# KiCad board ulx4m_panel.kicad_pcb (continued)
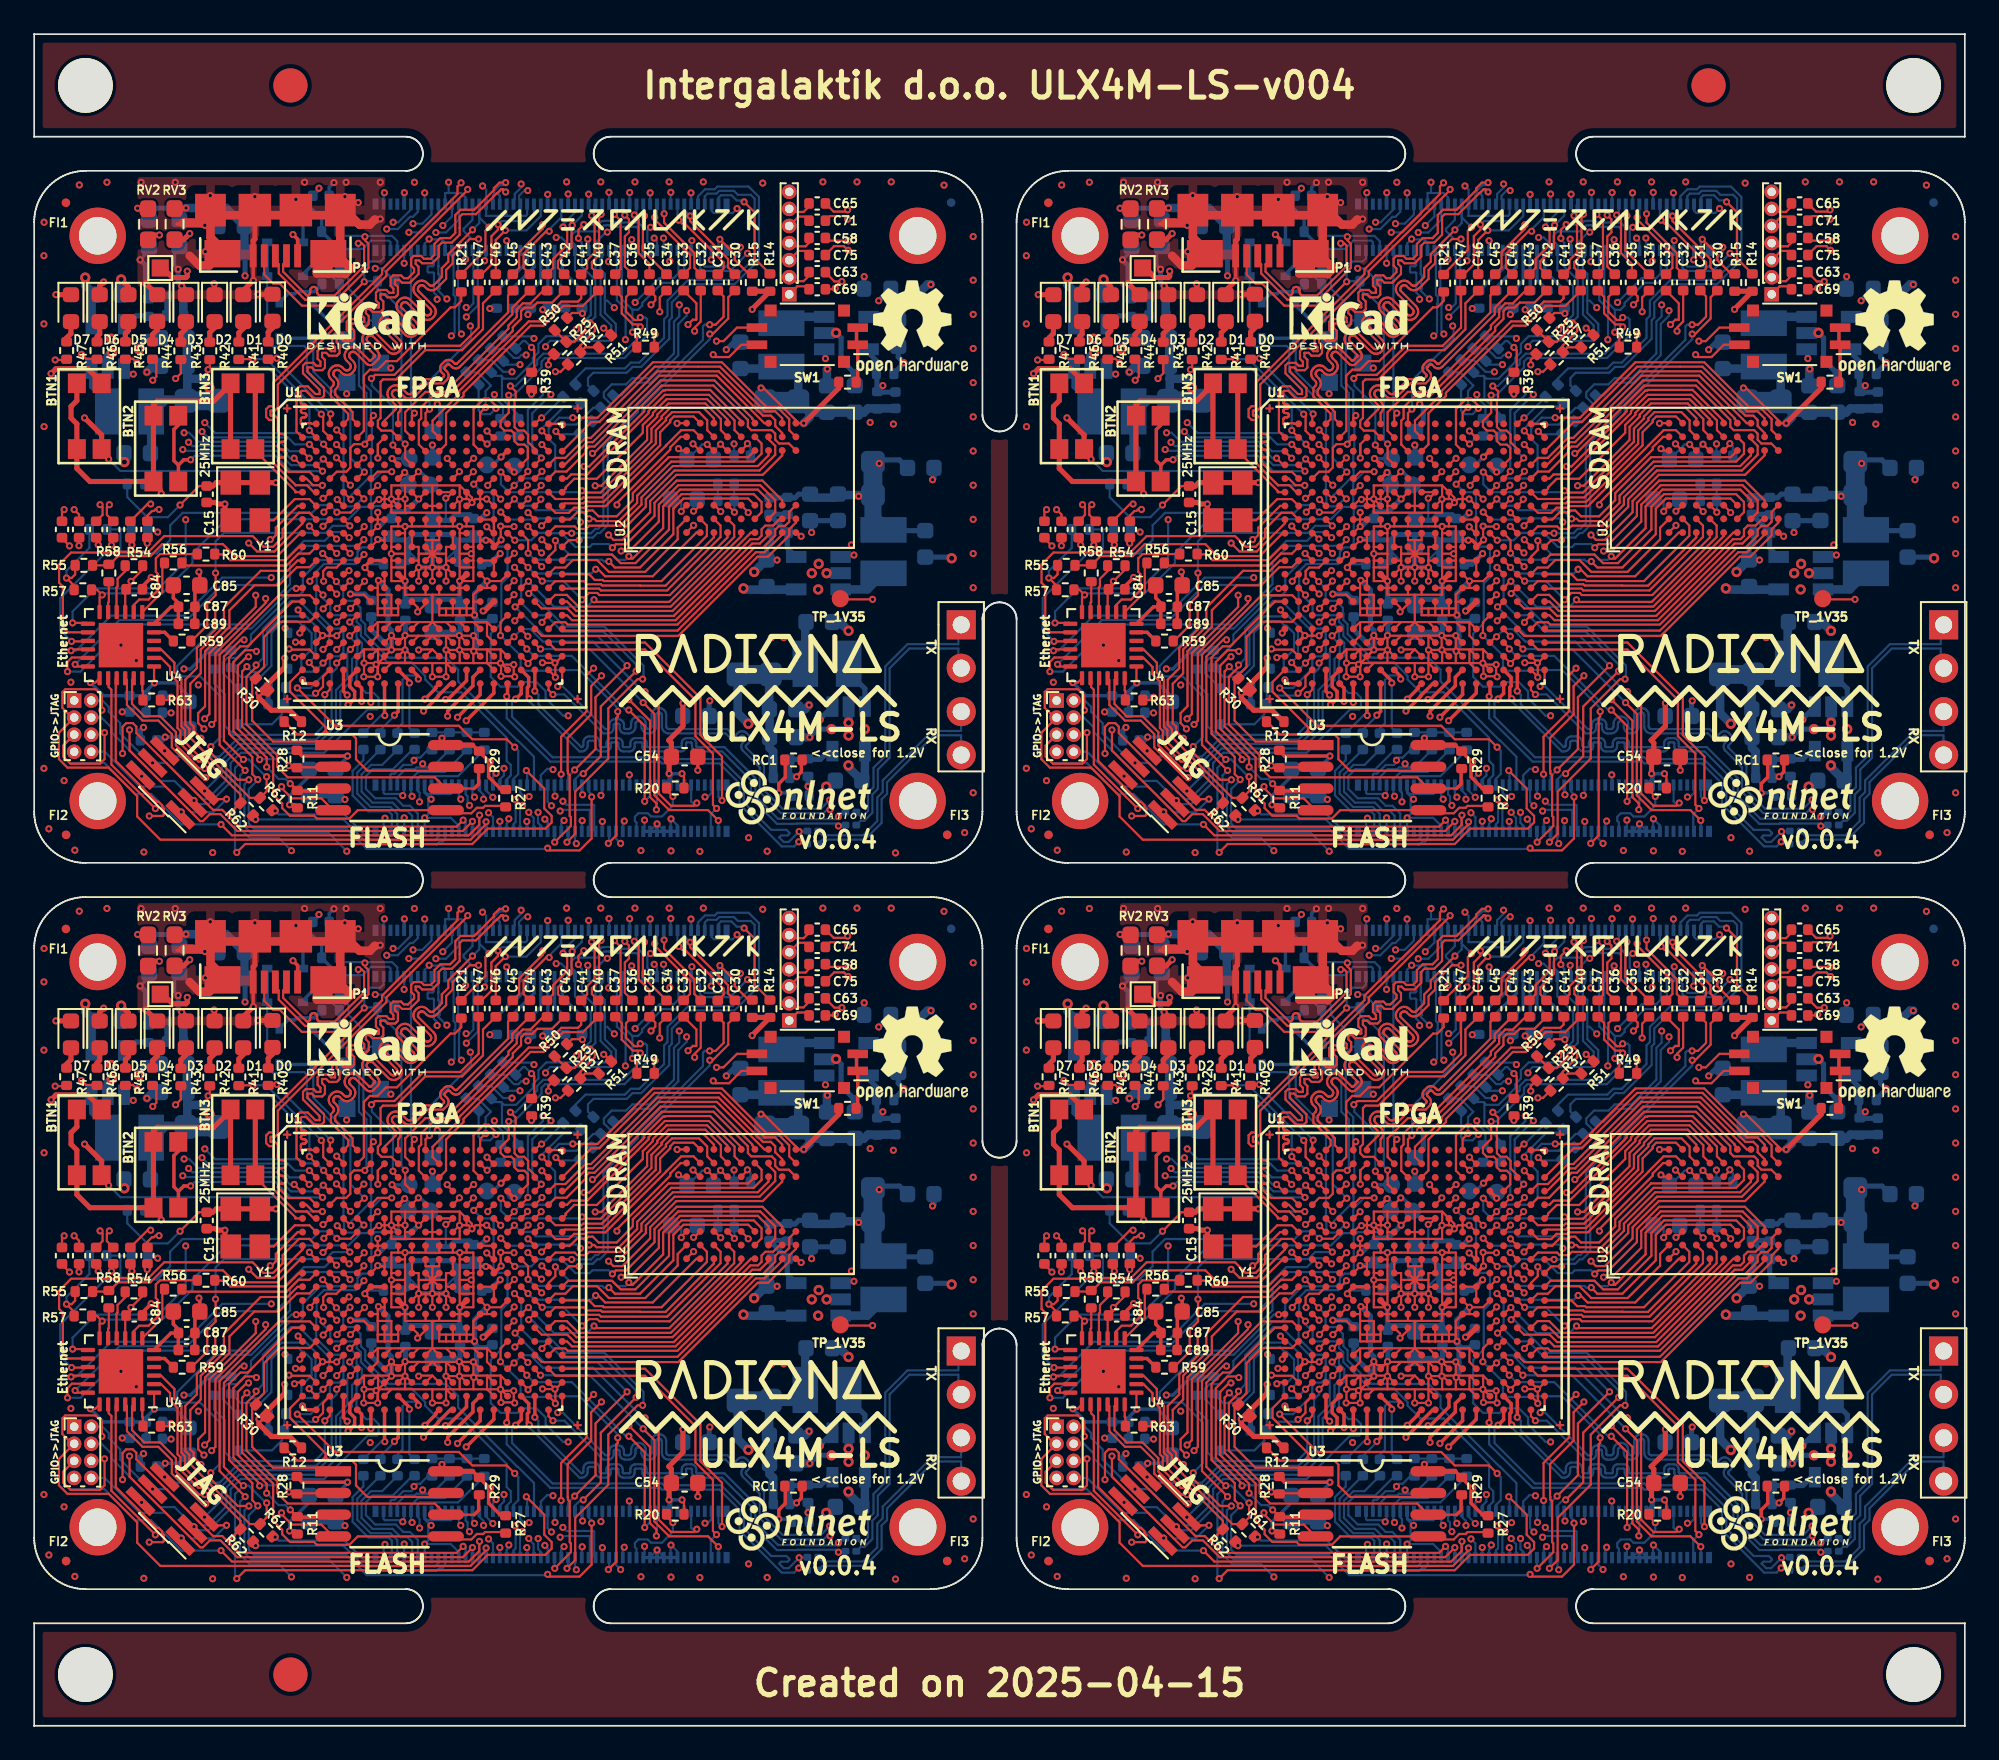
[diagram p0: board, top side]
## Routing (per net, layer and track width the routed paths; a pad name or vN(x,y) marks a point on that pad's centre or on a via; arc(x,y) is an arc through that point) (continued)
Board_2-SDRAM_A11: length 18.5
  Top w0.127: U1#3.K19 30.11,26.53 v1(29.72,26.92) ; v1(34.36,26.25) 34.48,26.37 34.96,26.37 36.57,27.97 36.57,28.97 37.7,30.11 42.5,30.11 43.38,29.23 43.38,28.53 U2.G2
  In2signal.Cu w0.127: v1(29.72,26.92) 30.59,26.05 34.16,26.05 v1(34.36,26.25)
Board_2-SDRAM_A12: length 14.4
  Top w0.127: U1#3.R20 31.19,22.5 31.48,22.2 37.55,22.2 42.04,26.69 42.48,26.69 42.99,27.2 U2.G1
Board_2-SDRAM_BA0: length 15.4
  Top w0.127: U1#3.J19 30.51,27.69 31.64,27.69 31.79,27.55 32.31,27.55 32.5,27.74 34.32,27.74 35.55,28.97 35.55,29.39 37.39,31.23 42.36,31.23 42.99,31.85 U2.G7
Board_2-SDRAM_BA1: length 21.4
  Top w0.127: U1#3.L16 27.71,25.72 v1(28.11,26.12) ; v1(34.15,27.33) 34.29,27.33 35.81,28.84 35.81,29.29 37.49,30.97 42.46,30.97 43.38,31.89 43.38,32.41 42.99,32.8 U2.G8
  In2signal.Cu w0.127: v1(34.15,27.33) 32.58,28.91 31.85,28.91 31.17,28.23 31.17,28.14 29.53,28.14 29.31,27.92 29.3,27.92 29.3,27.31 v1(28.11,26.12)
Board_2-SDRAM_CKE: length 17.7
  Top w0.127: U1#3.J17 28.91,26.89 v1(28.91,26.13) ; v1(33.64,25.65) 34,25.29 35.46,25.29 37.42,27.24 37.42,28.73 38.01,29.33 41.8,29.33 U2.F3
  Bottom w0.127: v1(28.91,26.13) 29.3,25.74 33.25,25.74 33.34,25.65 v1(33.64,25.65)
Board_2-SDRAM_CLK: length 15.8
  Top w0.127: U2.F2 42.58,28.53 42.58,29.12 42.12,29.58 37.9,29.58 37.16,28.85 37.16,27.51 35.2,25.54 34.33,25.54 33.83,26.05 31.26,26.05 U1#3.L20
Board_2-SDRAM_D0: length 12.5
  Top w0.127: v1(34.12,28.96) 34.12,29.07 37.24,32.2 37.24,32.33 37.85,32.94 U2.A8 ; U1#3.J18 28.91,27.7 v1(28.9,27.7)
  In2signal.Cu w0.127: v1(28.9,27.7) 28.9,27.9 29.6,28.6 31.18,28.6 31.77,29.19 33.88,29.19 v1(34.12,28.96)
Board_2-SDRAM_D1: length 10.9
  Top w0.127: U1#3.G20 31.06,29.04 32.15,29.04 32.24,29.13 33.34,29.13 36.64,32.44 36.64,33.21 37.24,33.8 37.24,33.92 37.44,34.13 38.6,34.13 U2.B9
Board_2-SDRAM_D2: length 11.2
  Top w0.127: U1#3.G19 30.52,28.49 31.3,28.49 31.6,28.79 32.25,28.79 32.34,28.88 33.44,28.88 37,32.44 37,32.45 37.88,33.33 38.6,33.33 U2.B8
Board_2-SDRAM_D3: length 17.2
  Top w0.127: v1(27.32,30.88) 27.33,30.88 U1#3.E16 ; U2.C9 39.79,34.02 39.17,34.63 37.23,34.63 36.73,34.13 36.73,34.01 36.14,33.42 36.14,32.65 33.16,29.68 32.18,29.68 v1(32.07,29.78)
  Bottom w0.127: v1(27.32,30.88) 27.32,30.16 27.78,29.7 28.82,29.7 28.83,29.71 29.1,29.71 29.11,29.7 31.99,29.7 v1(32.07,29.78) 32.07,29.71 32.05,29.69
Board_2-SDRAM_D4: length 13.4
  Top w0.127: U1#3.F19 30.51,29.3 32.04,29.3 32.13,29.39 33.23,29.39 36.39,32.54 36.39,33.31 36.98,33.91 36.98,34.02 37.34,34.38 38.92,34.38 39.4,33.9 39.4,33.33 U2.C8
Board_2-SDRAM_D5: length 13
  Top w0.127: U1#3.F20 31.11,29.9 31.11,29.98 31.62,30.48 32.94,30.48 35.63,33.17 35.63,33.63 36.22,34.22 36.22,34.34 37.02,35.14 39.4,35.14 40.59,33.95 U2.D9
Board_2-SDRAM_D6: length 16.8
  Top w0.127: v1(32.84,30.08) 33.2,30.08 35.88,32.75 35.88,33.52 36.47,34.12 36.47,34.23 37.13,34.89 39.29,34.89 40.2,33.98 40.2,33.33 U2.D8 ; U1#3.H18 v1(28.91,28.5)
  In2signal.Cu w0.127: v1(28.91,28.5) 29.27,28.86 30.56,28.86 31.99,30.29 32.63,30.29 v1(32.84,30.08)
Board_2-SDRAM_D7: length 15.6
  Top w0.127: v1(32.19,31.21) 32.49,31.21 35.71,34.43 35.71,34.55 36.81,35.65 36.93,35.65 36.96,35.68 39.57,35.68 41.39,33.87 U2.E9 ; U1#3.F18 29.68,30.07 v1(29.68,30.1)
  In2signal.Cu w0.127: v1(32.19,31.21) 32.09,31.31 30.85,31.31 29.68,30.14 v1(29.68,30.1)
Board_2-SDRAM_D8: length 13.6
  Top w0.127: U2.E1 41.39,27.13 37.26,23 31.87,23 31.18,23.69 30.5,23.69 U1#3.P19
Board_2-SDRAM_D9: length 16.3
  Top w0.127: v1(32.77,23.4) 32.9,23.28 37.18,23.28 40.98,27.07 40.98,27.75 U2.D2 ; v1(28.93,24.48) 28.9,24.48 U1#3.N17
  Bottom w0.127: v1(32.77,23.4) 32.36,22.99 30.43,22.99 v1(28.93,24.48)
Board_2-SDRAM_D10: length 13.8
  Top w0.127: U1#3.M18 29.71,24.49 v1(29.74,24.49) 29.74,24.5 29.7,24.5 ; U2.D1 40.59,27.05 37.21,23.68 33.09,23.68 32.97,23.8 32.48,23.8 v1(32.08,23.4)
  Bottom w0.127: v1(32.08,23.4) 30.99,24.49 v1(29.74,24.49)
Board_2-SDRAM_D11: length 11.9
  Top w0.127: U1#3.N20 30.95,24.05 33.07,24.05 33.18,23.95 37.05,23.95 40.18,27.08 40.18,27.75 U2.C2
Board_2-SDRAM_D12: length 11.4
  Top w0.127: U2.C1 39.79,27.05 36.96,24.23 35.48,24.23 35.47,24.24 33.25,24.24 33.18,24.31 32.37,24.31 32.19,24.49 30.5,24.49 U1#3.N19
Board_2-SDRAM_D13: length 10.9
  Top w0.127: U2.B2 39.38,27.75 39.38,27.15 36.73,24.5 33.35,24.5 33.28,24.56 32.81,24.56 32.48,24.9 U1#3.M20
Board_2-SDRAM_D14: length 10.4
  Top w0.127: U2.A2 37.67,27.62 37.67,26.94 35.77,25.04 33.64,25.04 32.95,25.73 31.54,25.73 31.1,25.29 30.5,25.29 U1#3.M19
Board_2-SDRAM_D15: length 12.1
  Top w0.127: U2.B1 38.77,27.34 36.21,24.78 33.42,24.78 33.01,25.19 v1(32.87,25.19) ; U1#3.L17 v1(28.91,25.3)
  Bottom w0.127: v1(32.87,25.19) 32.62,24.94 29.27,24.94 v1(28.91,25.3)
Board_2-SDRAM_DQM0: length 13.9
  Top w0.127: U1#3.E20 31.19,30.5 31.43,30.74 32.38,30.74 35.97,34.33 35.97,34.44 36.92,35.4 39.5,35.4 41,33.9 41,33.33 U2.E8
Board_2-SDRAM_DQM1: length 13.4
  Top w0.127: U2.F1 41.96,27.34 37.37,22.75 31.74,22.75 31.19,23.3 U1#3.P20
Board_2-SDRAM_nCAS: length 13.5
  Top w0.127: U2.F7 41.8,31.75 37.15,31.75 35.04,29.64 35.04,29.23 34.1,28.29 33.04,28.29 32.7,28.63 32.45,28.63 32.34,28.52 31.78,28.52 31.36,28.1 U1#3.H20
Board_2-SDRAM_nCS: length 15.4
  Top w0.127: U2.G9 42.74,33.74 39.96,36.52 36.59,36.52 32.7,32.62 32.38,32.62 31.05,31.3 U1#3.D20
Board_2-SDRAM_nRAS: length 18.6
  Top w0.127: U2.F8 42.58,32.55 42.58,31.95 42.12,31.49 37.29,31.49 35.3,29.5 35.3,29.07 34.23,28.01 32.92,28.01 32.79,28.14 v1(32.49,28.14) ; U1#3.G16 v1(28.11,29.3)
  Bottom w0.127: v1(32.49,28.14) 31.99,28.64 29.37,28.64 29.1,28.91 28.5,28.91 v1(28.11,29.3)
Board_2-SDRAM_nWE: length 15.7
  Top w0.127: U2.F9 42.19,33.83 42.03,33.98 42.03,34.03 39.82,36.24 36.67,36.24 32.8,32.37 32.48,32.37 32.28,32.17 32.28,32.03 31.16,30.91 30.52,30.91 U1#3.E19
Board_2-SRCLK1N: length 1.4
  Top w0.127: J5#4.1 44.67,41.75 45.19,41.75 C69#4.2
Board_2-SRCLK1P: length 1.6
  Top w0.127: J5#4.2 44.43,42.05 45.04,42.05 45.36,42.37 C63#4.1
Board_2-SRX11N: length 1.5
  Top w0.127: J5#4.5 44.75,45.83 45.12,45.83 C71#4.2
Board_2-SRX11P: length 1.5
  Top w0.127: J5#4.6 44.38,46.1 45.04,46.1 45.36,46.42 C65#2.1
Board_2-STX11N: length 1.5
  Top w0.127: J5#4.3 44.74,43.82 45.12,43.82 C75#3.2
Board_2-STX11P: length 1.6
  Top w0.127: J5#4.4 44.39,44.09 45.15,44.09 45.36,44.3 C58.1
Board_2-SW1: length 24.2
  Top w0.127: v1(39.75,37.75) 39.89,37.61 40.68,37.61 41.4,38.33 SW1.4 ; U1#3.L18 29.35,25.7 v1(29.71,25.34)
  In2signal.Cu w0.127: v1(39.75,37.75) 39.53,37.75 35.82,34.04 35.82,25.45 35.07,24.7 32.37,24.7 31.73,25.34 v1(29.71,25.34)
Board_2-SW2: length 24.4
  Top w0.127: v1(29.7,26.14) 29.66,26.14 U1#3.K18 ; v1(39.94,38.54) 40.35,38.54 41.14,39.33 SW1.3
  In2signal.Cu w0.127: v1(39.94,38.54) 35.57,34.16 35.57,25.61 35.1,25.15 33.49,25.15 33.02,25.62 30.23,25.62 v1(29.7,26.14)
Board_2-US2_ID: length 23.1
  Top w0.127: v1(21.72,32.52) 21.72,31.69 U1#3.D9 ; 13.47,43.23 13.47,42.43 13.99,41.91 14.38,41.91 15.67,40.61 17.92,40.61 v1(19.32,42.01)
  Bottom w0.127: J2#4.1 20.46,43.39 20.27,43.2 19.67,43.2 19.32,42.85 v1(19.32,42.01) 19.36,42.05 R19#3.1 20.1,41.58 20.38,41.3 20.58,41.3 21.5,40.38 21.5,32.74 v1(21.72,32.52)
Board_2-USB_FPGA_D+: length 23.1
  Top w0.127: U1#3.F4 18.52,29.28 v1(18.54,29.28) ; U1#3.A6 19.71,34.04 v1(19.86,34.19)
  Bottom w0.127: v1(18.54,29.28) 18.54,29.5 19.73,30.69 19.73,31 19.71,31.02 19.71,31.9 19.77,31.96 19.77,34.1 v1(19.86,34.19) 19.71,34.33 19.71,35.63 19.27,36.07 19.27,39.37 19.64,39.75 D8#3.1 18.4,41.62 18.4,42.18 17.87,42.71 R5#4.2 17.87,43.15 17.36,43.66 17.36,44.05
  Bottom w0.2: R4.2 15.38,46.38 16.13,46.38 16.83,45.69 R2#2.2 17.36,44.42 17.36,44.05
Board_2-USB_FPGA_D-: length 16.7
  Top w0.127: U1#3.B6 19.36,32.54 v1(19.36,32.51) 18.72,32.51 18.51,32.29 18.51,31.14 18.27,30.9 17.71,30.9 U1#3.E3
  Bottom w0.127: R6.2 18.36,40.39 18.36,38.68 D9#3.1 19.01,37.93 19.01,35.94 19.45,35.5 19.45,32.6 v1(19.36,32.51) ; R1.2 16.84,43.82 17.31,43.35 17.31,42.44 R7#2.2
  Bottom w0.2: R6.2 17.85,41.87 R7#2.2
Board_2-USB_FPGA_PULL_D+: length 20.3
  Top w0.127: v1(19.3,29.31) 19.3,29.31 U1#3.F5
  Bottom w0.127: D11#4.1 13.64,38.55 13.97,38.22 14.73,38.22 14.77,38.26 15.81,38.26 15.96,38.11 15.96,36.76 18.11,34.61 18.11,29.51 18.14,29.48 18.14,28.88 18.15,28.87 18.76,28.87 19.2,29.31 v1(19.3,29.31)
  Bottom w0.2: D11#4.1 D10#2.2
Board_2-USB_FPGA_PULL_D-: length 11.6
  Top w0.127: v1(19.33,30.88) 19.29,30.88 U1#3.E5
  Bottom w0.127: D12#3.2 16.34,38.68 16.34,36.76 18.51,34.59 18.51,31.7 v1(19.33,30.88)
  Bottom w0.2: D12#3.2 16.31,38.71 D13#2.1
Board_2-USB_N: length 13.2
  Top w0.127: v1(18.97,44.26) 19.18,44.26 19.31,44.13 19.31,42.93 17.6,41.21 16.76,41.21 16.72,41.22 16.68,41.23 16.64,41.26 16.61,41.29 16.58,41.33 16.57,41.37 16.56,41.41 16.56,41.51 16.56,41.56 16.54,41.6 16.52,41.64 16.49,41.67 16.45,41.69 16.41,41.71 16.36,41.71 16.32,41.71 16.28,41.69 16.24,41.67 16.21,41.64 16.18,41.6 16.17,41.56 16.16,41.51 16.16,41.41 16.16,41.37 16.14,41.33 16.12,41.29 16.09,41.26 16.05,41.23 16.01,41.22 15.96,41.21 14.57,42.6 14.57,43.03 14.77,43.23
  Bottom w0.127: 18.93,43.94 R1.1 ; 18.93,43.94 19.24,43.94 19.72,44.42 20.77,44.42 20.86,44.33 20.86,43.7 ; 18.93,43.94 18.97,43.98 v1(18.97,44.26)
Board_2-USB_P: length 13.7
  Top w0.127: v1(19.36,44.65) 19.36,44.44 19.57,44.23 19.57,42.82 17.7,40.96 15.86,40.96 14.32,42.5 14.32,43.03 14.12,43.23
  Bottom w0.127: 21.26,43.7 21.26,44.39 20.95,44.7 18.1,44.7 R2#2.1
Board_2-USER_PROGRAMN: length 6.9
  Top w0.127: U1#3.M4 18.22,24.9 v3(18.43,25.11)
  In2signal.Cu w0.127: v3(18.43,25.11) 17.6,25.11 17.33,24.84 17.33,24.6 17.32,24.59 17.32,24.43 17.32,24.43 17.31,24.42 17.31,23.47 17.12,23.28 15.27,23.28 15.03,23.04 15.03,22.08 v3(14.69,21.74)
Board_3-2V5_3V3: length 43.2
  Top w0.127: 77.62,28.1 U1.H7 ; 77.62,28.1 U1.H6 ; 77.62,28.1 77.62,27.69 v1(77.63,27.69) 77.61,27.69 U1.J6 ; 77.62,28.1 77.62,28.51 v1(77.62,28.52) ; U1.F9 v1(80.02,29.3) U1.F10
  Top w0.2: v1(63.57,46.32) 64.1,46.32 64.15,46.27
  Top w0.3: RV3.1 66.37,46.3 v1(66.4,46.33) ; RV2#4.2 63.59,46.29 v1(63.57,46.32)
  POWER.Cu w0.2: 77.12,29.88 77.12,29.67 77.25,29.54 77.25,28.89 v1(77.62,28.52)
  POWER.Cu w0.3: v1(69.85,42.36) 70.07,42.58 74.75,42.58 75.59,43.41 76.37,43.41 75.03,42.08 75.03,41.35 76.29,40.08 76.29,30.7 77.12,29.88
  Bottom w0.2: C49.1 63.57,46.28 v1(63.57,46.32)
  Bottom w0.3: v1(77.63,27.69) 77.7,27.69 78.44,28.43 ; v1(69.85,42.36) 69.85,43.71 C48#4.1 ; v1(63.57,46.32) 66.39,46.32 v1(66.4,46.33) 66.01,45.94 C53#4.1 ; 78.44,28.55 79.27,28.55 v1(80.02,29.3)
  Bottom w0.4: 78.49,28.46 78.49,28.46
  Bottom w0.5: v1(66.4,46.33) 68.75,46.33 C38#4.1 69.82,45.26 C48#4.1
Board_3-+1V1: length 133.8
  Top w0.127: v1(78.42,26.1) 78.42,25.7 ; v1(78.42,26.1) 78.42,26.5 ; v1(78.42,26.1) 79.22,26.1 ; 78.42,25.7 78.42,25.3 ; 78.42,25.7 U1.L8 ; U1.K13 83.22,26.5 ; 83.22,26.5 83.22,26.22 v1(83.09,26.1) ; 83.22,26.5 83.22,27.7 82.82,27.7 ; 82.02,27.7 81.22,27.7 ; 82.02,27.7 U1.H12 ; 82.02,27.7 v1(82.42,27.7) ; v1(82.42,27.7) 82.42,27.3 ; v1(82.42,27.7) 82.82,27.7 ; 82.42,27.3 U1.J13 ; 82.42,27.3 82.42,26.1 ; 79.22,25.3 79.22,26.1 ; 79.22,25.3 v1(79.22,24.5) ; 79.22,25.3 78.42,25.3 ; 79.22,26.1 79.22,27.3 ; 80.42,27.7 81.22,27.7 ; 80.42,27.7 79.62,27.7 ; 80.42,27.7 U1.H10 ; 81.22,27.7 U1.H11 ; 79.22,22.1 78.42,22.1 ; 79.22,22.1 80.02,22.1 ; 79.22,22.1 U1.T8 ; 83.22,25.7 83.22,25.97 v1(83.09,26.1) ; 83.22,25.7 U1.L13 ; 83.22,25.7 83.22,25.3 ; v1(83.09,26.1) 82.42,26.1 ; U1.K8 78.42,26.5 ; 78.42,26.5 78.42,27.7 78.82,27.7 ; 83.22,25.3 82.42,25.3 ; 83.22,25.3 83.22,24.5 v1(82.42,24.5) ; 82.42,25.3 82.42,26.1 ; 82.42,25.3 v1(82.42,24.5) ; U1.T7 78.42,22.1 ; 78.42,22.1 77.62,22.1 ; U1.U15 84.02,21.3 84.02,22.1 ; U1.H9 79.62,27.7 ; 79.62,27.7 v1(79.22,27.7) ; U1.J8 79.22,27.3 ; 79.22,27.3 v1(79.22,27.7) ; 80.82,23.7 80.82,22.1 ; 80.82,23.7 80.42,23.7 ; 80.82,23.7 82.42,23.7 82.42,24.1 ; 80.82,22.1 80.02,22.1 ; 80.82,22.1 82.42,22.1 ; 80.82,22.1 U1.T11 ; 80.82,22.1 U1.T10 ; 78.42,25.3 78.42,24.5 v1(79.22,24.5) ; 82.42,24.1 v1(82.42,24.5) ; 82.42,24.1 U1.N13 ; 82.42,24.1 U1.N12 ; U1.T12 81.62,22.1 ; U1.T14 83.22,22.1 ; 83.22,22.1 84.02,22.1 ; 83.22,22.1 82.42,22.1 ; 82.82,27.7 U1.H13 ; U1.T15 84.02,22.1 ; 82.42,22.1 U1.T13 ; U1.N8 79.22,24.1 ; 79.22,24.1 U1.N9 ; 79.22,24.1 v1(79.22,24.5) ; 79.22,24.1 79.22,23.7 80.42,23.7 ; 80.42,23.7 U1.N10 ; 80.02,22.1 U1.T9 ; 78.82,27.7 v1(79.22,27.7) ; 78.82,27.7 U1.H8 ; 77.62,22.1 77.62,21.3 U1.U6 ; 77.62,22.1 U1.T6 ; U1.N11 81.22,23.7
  Top w0.3: U1.M13 v1(82.42,24.5) ; v1(66.47,42.63) 66.47,42.34 66.39,42.26 65.61,42.26 65.1,42.77 ; U1.M8 v1(79.22,24.5)
  In2signal.Cu w0.3: v1(77.18,16.58) 76.85,16.24 69.29,16.24 v1(67.12,18.42)
  POWER.Cu w0.3: 82.43,24.49 82.41,24.49 ; 86.24,16.75 85.33,15.84 77.92,15.84 v1(77.18,16.58) 78.98,18.38 78.98,18.75 80.21,19.98 80.25,19.98 80.51,20.23 80.51,23.21 v1(79.22,24.5) ; v1(66.47,42.63) 66.89,42.22 66.89,38.73 67.2,38.42 67.2,35.53 67.66,35.07 67.66,34.6 66.81,33.75 66.81,33.02 67.04,32.79 68.26,32.79 68.65,32.4 68.65,29.85 68.18,29.38 68.18,26.78 67.64,26.24 67.64,18.94 v1(67.12,18.42)
  POWER.Cu w0.5: v2(99.32,16.15) 99.01,15.84 87.15,15.84 86.24,16.75
  Bottom w0.127: 79.22,23.48 79.24,23.46 ; 82.42,23.48 82.44,23.46 ; 80.82,23.23 80.84,23.21
  Bottom w0.3: v1(79.22,24.5) 79.22,23.48 ; 79.24,23.43 80.74,23.43 80.84,23.53 80.94,23.43 82.44,23.43 ; v1(82.42,24.5) 82.42,23.48
  Bottom w0.5: v2(99.32,16.15) 98.69,16.77 RP1#2.2
Board_3-+1V35: length 31.8
  Top w0.127: TP_1V35.1 104.74,23.43 v1(106.59,23.43)
  POWER.Cu w0.3: v1(106.98,31.38) 106.86,31.5 106.86,32.89 106.24,32.89 106.18,32.96 106.18,29.87 v3(105.77,29.46) 105.39,29.08 105.89,28.58 105.89,27.66 105.46,27.23 105.36,27.34 103.74,27.34 104.37,26.71 104.37,25.65 v1(106.59,23.43)
  Bottom w0.3: 107,31.2 106.61,31.59 ; RP4.2 106.7,31.38 v1(106.98,31.38) 107.19,31.59 108.16,31.59 C98#4.1 ; C97#3.1 106.82,27.45 ; C95#3.1 102.26,29.58 102.05,29.37 101.6,29.37 101.6,29.36 C77#2.1
  Bottom w0.5: RP4.1 104.63,29.53 C96#2.1 104.35,29.38 103.13,29.38 C95#3.1
  Bottom w1: RP4.1 106.61,28.11 L4#4.2
Board_3-+2V5: length 118.6
  Top w0.127: U1.F6 77.61,30.09 v1(77.62,30.09) ; U1.P6 76.81,23.71 76.05,23.71 v1(76.02,23.74) ; 80.82,20.5 U1.V11 ; 80.82,20.5 80.05,20.5 v1(80.02,20.47) ; 80.82,20.5 U1.V10 ; U1.V17 86.42,19.69 v1(86.42,19.67) 86.42,19.7 U1.V18 ; U1.F15 84.82,29.3 v1(84.82,29.29)
  Top w0.3: U1.P15 83.87,22.75 v1(83.79,22.75) ; RV2#4.1 64.46,44.75 v1(64.84,44.75)
  POWER.Cu w0.127: v1(84.82,29.29) 84.42,28.9 83.6,28.9 83.6,28.89 ; 83.59,29.71 83.59,28.91 83.6,28.89 ; 86.84,21.69 86.84,20.82 86.75,20.73 86.75,20.16 U1.V18 ; 83.6,28.89 83.59,28.89
  POWER.Cu w0.2: v1(83.79,22.75) 84.09,22.75 85.16,21.67 85.88,21.67 85.91,21.71 86.82,21.71 ; 77.93,26.39 77.84,26.49 76.32,26.49 76.26,26.55 73.56,26.55 73.41,26.39 ; v1(86.42,19.67) 86.82,20.06 U1.V18
  POWER.Cu w0.3: v2(67.77,35.8) 68.14,35.43 69.21,35.43 ; 80.84,31.08 80.84,32.43 v3(80.82,32.45) ; 67.49,42.6 68.17,42.6 ; v1(80.02,20.47) 79.51,19.96 78.12,19.96 77.58,20.5 76.82,20.5 76.82,22.94 v1(76.02,23.74) ; 73.41,26.39 72.57,27.23 72.57,30.05 68.85,33.77 68.43,33.77 ; 83.6,28.89 83.6,28.85 83.37,28.62 83.37,26.65 82.74,26.65 82.59,26.5 82.59,25.89 83.09,25.39 83.09,24.95 83.5,24.54 83.5,23.04 v1(83.79,22.75) ; v1(64.84,44.75) 65.28,44.75 67.46,42.57 ; 80.81,30.1 80.81,29.18 80.27,28.64 78.53,28.64 78.53,26.99 77.93,26.39
  POWER.Cu w0.4: 72.35,17.2 72.65,17.2 73.45,17.99 73.45,18.18 73.74,18.47 74.8,18.47 76.82,20.5 ; 83.51,29.63 82.83,29.63 82.36,30.1 77.63,30.1 v1(77.62,30.09)
  POWER.Cu w0.5: 68.72,37.92 67.46,39.18 67.46,42.57 ; 68.17,42.6 68.14,42.57 67.46,42.57 ; 67.46,42.57 67.49,42.6 ; 80.84,31.08 80.84,30.15
  POWER.Cu w0.8: 70.34,22.69 70.44,22.59 71.09,22.59
  POWER.Cu w1: 68.43,33.77 68.43,35.9 ; 70.34,22.69 69.5,22.69 69.03,23.16 69.03,25.3 68.58,25.75 69.23,26.4 69.23,28.32 69.51,28.6 69.51,35.13 69.33,35.31 ; 71.09,22.59 71.36,22.31 71.36,19.5 71.57,19.3 71.57,18.12 72.42,17.27
  POWER.Cu w1.5: 69.33,35.31 69.21,35.43 69.21,37.43 68.72,37.92
  Bottom w0.3: v1(83.79,22.75) 84.3,23.26 C29#2.1 ; C39#4.1 76.86,23.74 v1(76.02,23.74) ; L2.2 64.42,34.48 ; RP2#2.2 67.77,35.59 v2(67.77,35.8) ; C19.1 80.84,32.43 v3(80.82,32.45)
  Bottom w0.5: 67.77,35.95 67.77,35.95 67.38,36.34 66.48,36.34 ; C10#3.1 66.24,41.09 66.24,39.56 66.45,39.35 C11#4.1 66.45,37.1 C12#3.1 66.48,37.07 66.48,36.34 ; 66.48,36.34 66.48,35.11 65.22,35.11 64.52,34.42 L2.2 64.36,32.02 C23#4.1
Board_3-+3.3VA: length 13.5
  Top w0.127: U4#4.19 61.09,18.56 v1(60.8,18.56) ; U4#4.1 64.53,18.56 v1(64.55,18.54)
  POWER.Cu w0.2: v1(64.55,18.54) 60.82,18.54 v1(60.8,18.56)
  Bottom w0.2: FB1.2 66.55,17.76 65.77,18.54 v1(64.55,18.54) 64.07,18.06 C90#2.1 ; C88#4.1 64.07,16.81 C90#2.1 ; C90#2.1 C86.1 61.57,17.79 v1(60.8,18.56)
Board_3-+5V: length 192.7
  Top w0.2: v1(72.66,44.78) 72.93,44.51 72.93,43.23
  Top w0.3: R15#3.1 R14.1 99.54,40.42 v3(99.54,40.4)
  POWER.Cu w0.3: v1(63.31,36.61) 63.04,36.88 63.04,39.72 v2(60.5,42.26) 61.12,42.26 61.35,42.49 61.92,42.49 63.26,43.83 63.26,45.52 63.08,45.7 63.08,46.55 63.34,46.81 63.61,46.81 63.62,46.82 66.79,46.82 68.79,44.82 72.62,44.82 v1(72.66,44.78) ; v3(86.41,40.09) 86.41,40.39 87.17,41.15 92.32,41.15 92.46,41.29 92.92,41.29 92.93,41.28 98.65,41.28 v3(99.54,40.4) 104.57,40.4 105.28,41.11 105.28,43.04 105.48,43.24 107.1,43.24 108.12,42.22 ; 108.85,22.26 103.42,22.26 101.61,24.07 v2(99.03,24.07) ; v1(110,41.86) 110.53,41.33 110.53,32.24 109.55,31.27 108.85,31.27 ; v1(103.54,16.38) 103.54,12.97 103.3,12.74 103.3,11.33 103.55,11.09
  POWER.Cu w0.5: v1(105.5,26.02) 107.69,26.02 108.85,24.85 108.85,22.84 ; 108.85,22.84 108.85,17.38 v2(105.18,13.71) 97.55,13.71 95.92,12.08 95.79,12.08 95.48,11.77 95.48,11.27 v1(94.79,10.58) 94.27,10.58 v1(93.97,10.29) 93.46,10.29 v1(93.24,10.51) ; 108.85,22.84 108.58,23.11 108.58,28.95 108.74,29.11 108.74,31.16 108.85,31.27 ; v2(60.5,42.26) 59.36,41.11 59.36,34.63 58.68,33.95 58.68,33.25 58.46,33.04 58.46,14.21 58.96,13.7 62.32,13.7 64.26,11.77 64.86,11.77 65.24,11.39 65.24,10.08 64.94,9.78 ; v1(103.83,37.52) 105.66,37.52 v1(110,41.86) 109.64,42.22 108.1,42.22 108.08,42.24
  Bottom w0.127: v1(93.97,10.29) 94.37,9.89 J1#3.83 ; v1(93.97,10.29) 93.97,10.28 J1#3.81 ; v1(93.97,10.29) 93.57,9.88 J1#3.79 ; J1#3.87 95.17,10.2 v1(94.79,10.58) 94.77,10.56 J1#3.85 ; v1(93.24,10.51) 93.24,10.07 93.17,10
  Bottom w0.2: R13#3.1 85.58,40.47 R10#4.1 ; J1#3.77 J1#3.87
  Bottom w0.3: R10#4.1 86.58,40.26 v3(86.41,40.09) ; U8#3.1 104.83,26.02 v1(105.5,26.02) ; v1(63.31,36.61) 63.1,36.61 U6.1 ; v1(103.54,16.38) 103.54,16.44 U5.1 ; v1(103.83,37.52) 103.83,37.99 U7.1
  Bottom w0.5: U6.4 60.87,41.08 C1.1 60.5,41.81 v2(60.5,42.26) ; v2(105.18,13.71) 105.18,13.6 C5#3.1 106.14,13 U5.4 ; U7.4 107.91,39.96 109.8,41.86 v1(110,41.86) ; v2(99.03,24.07) 99.09,24 102.12,24
Board_3-/blinkey/ALED0: length 1.3
  Top w0.3: 71.21,38.47 71.21,39.06 71.46,39.31 D0#3.2
Board_3-/blinkey/ALED1: length 1.3
  Top w0.3: 69.49,38.46 69.49,39.03 69.75,39.29 D1#2.2
Board_3-/blinkey/ALED2: length 1.3
  Top w0.3: D2#4.2 68.07,39.33 67.79,39.05 67.79,38.45
Board_3-/blinkey/ALED3: length 1.4
  Top w0.3: D3#3.2 66.39,39.27 66.1,38.97 66.1,38.45
Board_3-/blinkey/ALED4: length 1.3
  Top w0.3: D4#3.2 64.71,39.2 64.44,38.93 64.44,38.47
Board_3-/blinkey/ALED5: length 1.3
  Top w0.3: D5#2.2 63.03,39.16 62.85,38.99 62.85,38.47
Board_3-/blinkey/ALED6: length 1.3
  Top w0.3: 61.19,38.47 61.19,38.8 61.35,38.95 D6#3.2
Board_3-/blinkey/ALED7: length 1.3
  Top w0.3: D7#4.2 59.67,38.98 59.41,38.73 59.41,38.47
Board_3-/ethernet/ETH_7: length 3.4
  Top w0.127: U4#4.7 65.01,23.86 65.01,25.43 R56#4.1
Board_3-/ethernet/ETH_8: length 6.6
  Top w0.127: R60#2.1 64.88,26.08 64.63,25.83 64.63,25.04 64.76,24.91 64.76,23.97 64.21,23.42 63.66,23.42 63.34,23.1 U4#4.8
Board_3-/ethernet/ETH_10: length 2.9
  Top w0.127: U4#4.10 62.33,22.69 62.33,24.13 62.39,24.19 62.39,24.63 62.84,25.08 R54#3.1
Board_3-/ethernet/ETH_11: length 1.8
  Top w0.127: U4#4.11 61.84,23.24 61.88,23.28 R58#3.2
Board_3-/ethernet/RBIAS: length 1.3
  Top w0.127: U4#4.24 63.84,18.09 63.88,18.05 R63#2.1
Board_3-/ethernet/XTAL: length 1.3
  Top w0.2: U4#4.5 65.15,21.5 R59.1
Board_3-/flash/FLASH_MISO: length 16.3
  Top w0.127: U3#3.2 74.99,13.6 72.89,13.6 ; v1(70.52,20.38) 70.45,20.45 69.86,20.45 69.18,19.76 69.18,15.7 70.61,14.26 70.61,14.14 v1(70.71,14.05) ; v1(72.43,20.52) 72.46,20.49 73.63,20.49 U1.V2
  Top w0.2: v1(72.42,13.69) 72.51,13.6 72.89,13.6
  In2signal.Cu w0.127: v1(72.43,20.52) 70.66,20.52 v1(70.52,20.38)
  Bottom w0.127: v1(70.71,14.05) 70.74,14.08 72.03,14.08 v1(72.42,13.69)
Board_3-/flash/FLASH_MOSI: length 33.1
  Top w0.127: U1.W2 73.61,19.71 v1(73.61,19.73) ; 85.11,11.31 85.08,11.34 83.91,11.34 83.8,11.23 83.42,11.23 83.1,10.91 81.79,10.91 U3#3.5 ; U3#3.5 76.45,11.09 75.96,10.6 74.06,10.6 73.89,10.76 72.48,10.76 72.03,11.21 72.03,11.47 71.5,12 71.5,14.18 69.68,15.99 69.68,19.21 v1(69.96,19.49) ; U3#3.5 81.74,10.96
  Bottom w0.127: v1(69.96,19.49) 70.27,19.18 70.7,19.18 71.14,19.62 71.14,21.57 72,22.43 73.43,22.43 73.98,21.88 73.98,20.1 v1(73.61,19.73)
Board_3-/flash/FLASH_nCS: length 14.1
  Top w0.127: U3#3.1 74.8,15.1 71.49,15.1 70.27,16.33 70.27,18.78 70.97,19.48 70.97,21.23 71.86,22.12 73.64,22.12 U1.R2
Board_3-/flash/FLASH_nHOLD: length 16.3
  Top w0.127: 72.17,16.27 72.91,15.52 74.36,15.52 74.57,15.73 ; U3#3.7 81.39,13.4 77.02,13.4 76.35,14.07 76.35,15.29 76.12,15.52 74.78,15.52 74.57,15.73 ; 74.57,15.73 74.57,15.95 72.49,18.02 72.49,18.59 73.2,19.3 U1.W1
Board_3-/flash/FLASH_nWP: length 16.9
  Top w0.127: v1(71.12,13.62) 71.12,14.17 69.43,15.86 69.43,19.55 69.95,20.07 v1(70.06,20.07) ; v1(72.5,12.64) 72.52,12.64 R11#4.2 72.66,12.24 72.63,12.21
  Top w0.19: 74.02,18.48 U1.Y2 73.44,18.5 v1(73.22,18.72)
  Top w0.2: 72.92,12.21 74.87,12.21 U3#3.3
  In2signal.Cu w0.127: v1(70.06,20.07) 70.14,19.98 70.69,19.98 71.18,19.5 72.44,19.5 v1(73.22,18.72)
  Bottom w0.127: v1(71.12,13.62) 71.82,12.92 72.22,12.92 v1(72.5,12.64)
Board_3-/flash/FLASH_SCK: length 29.8
  Top w0.127: 83.27,12.36 U3#3.6 80.96,13.01 72.35,13.01 71.74,13.62 71.74,14.31 69.94,16.11 69.94,18.9 70.5,19.46 v1(70.5,19.58) ; v1(74.42,20.5) U1.U3
  Top w0.2: 83.27,12.36 83.53,12.62 83.53,13.51 83.57,13.55
  Bottom w0.127: v1(70.5,19.58) 70.9,19.98 70.9,21.71 72.53,23.34 73.01,23.34 74.77,21.58 74.77,20.85 v1(74.42,20.5) 74.42,20.61
Board_3-/flash/FPGA_DONE: length 12.4
  Top w0.127: U1.Y3 74.82,18.14 v1(74.53,17.85)
  Bottom w0.127: v1(74.53,17.85) 74.53,16.09 73.93,15.5 69.19,15.5 68.68,16.01 68.68,17.88 68.04,18.52 68.04,19.34
Board_3-/flash/FPGA_INITN: length 12.1
  Top w0.127: U1.V3 v1(74.42,19.7)
  Bottom w0.127: 69.04,19.46 69.6,18.89 70.76,18.89 71.4,19.53 71.4,21.48 72.07,22.15 72.94,22.15 73.2,21.89 73.31,21.89 73.75,21.44 73.75,20.5 73.15,19.9 73.15,19.45 73.41,19.19 73.91,19.19 v1(74.42,19.7)
Board_3-/flash/FPGA_PROGRAMN: length 9.4
  Top w0.127: v1(73.99,17.93) 74.03,17.93 74.42,18.32 74.42,18.9 U1.W3
  Bottom w0.127: D15#3.2 72.23,19.2 R31.2 ; v1(73.99,17.93) 73.85,17.8 72.71,17.8 R31.2 ; R31.2 72.16,18.21 C99.1 72.01,17.14 72.01,16.7 71.43,16.12 D28#3.2
Board_3-/gpio/CAM0_D0_LP: length 11.8
  Top w0.127: U1.B5 76.81,33.29 76.81,36.52 77.16,36.87 77.61,36.87 78.11,37.37 78.74,37.37 81.89,40.52 82.14,40.52 82.51,40.89 R21#3.2
Board_3-/power/FB1: length 5.6
  Top w0.2: 102.44,14.03 102.42,14.01 102.42,13.33 v1(102.14,13.05)
  Bottom w0.2: v1(102.14,13.05) 101.81,13.05 C2.2
  Bottom w0.3: C2.2 101.73,12.99 101.73,14.03 101.76,14.06 103.54,14.06 104.02,14.55 U5.5 104.04,14.75
  Bottom w0.5: 101.77,13.01 C2.2
Board_3-/power/FB2: length 3.8
  Bottom w0.3: C10#3.2 65.28,41.09 65.28,40.05 65.25,40.02 63.47,40.02 62.98,39.53 U6.5
Board_3-/power/FB3: length 4.1
  Bottom w0.3: 107.92,35.56 107.92,35.55 106.88,35.55 106.84,35.58 106.84,37.36 106.36,37.85 U7.5 106.16,37.86
  vias: v3(107.19,35.94)
Board_3-/power/FB4: length 4.2
  Bottom w0.3: U8#3.5 101.6,26.43 101.6,27.36 C77#2.2 101.61,28.4
Board_3-/power/L1: length 2.9
  Bottom w0.3: 105.29,19.66 105.72,19.23 105.72,18.62 106.14,18.2 U5.3
Board_3-/power/L2: length 2.9
  Bottom w0.3: 61.73,34.42 61.3,34.85 61.3,35.45 60.87,35.88 U6.3
Board_3-/power/L3: length 2.7
  Bottom w0.5: L3#2.1 101.63,39.96 U7.3
Board_3-/power/L4: length 2.9
  Bottom w0.5: L4#4.1 106.29,24.01 U8#3.3
Board_3-/serdes/1N: length 15.8
  Bottom w0.127: J4.1 111.61,21.77 111.61,20.8 108.64,20.8 107.33,19.5 107.33,14.26 106.64,13.57 106.64,12.43 106.32,12.11 106.32,11.04 106.01,10.72 105.89,10.72 C91.1
Board_3-/serdes/1P: length 15.8
  Bottom w0.127: C92#4.1 105.89,10.47 106.11,10.47 106.58,10.93 106.58,12 106.9,12.32 106.9,13.46 107.59,14.15 107.59,19.39 108.74,20.55 111.61,20.55 111.61,19.57 J4.2
Board_3-/serdes/2N: length 13.3
  Bottom w0.127: C93.1 103.66,9.62 106.03,9.62 106.86,10.45 106.86,11.83 107.18,12.15 107.18,12.83 110.08,15.72 111.77,15.72 111.77,16.85 J4.3
Board_3-/serdes/2P: length 13.4
  Bottom w0.127: J4.4 111.77,14.33 111.77,15.47 110.18,15.47 107.44,12.72 107.44,12.04 107.12,11.72 107.12,10.34 106.14,9.36 103.66,9.36 C94#3.1
